# Altium PCB touch.gfx.PcbDoc (part 2 of 3)
Units mm, origin at the board's own origin, x right, y up, seen from the top; angles counter-clockwise.
Board outline 116.01 x 112.64 mm, 2 copper layers (Top Layer, Bottom Layer); 211 components, 219 nets, 923 pads, 396 vias.
Unrouted connection lines stored in the file: 1.
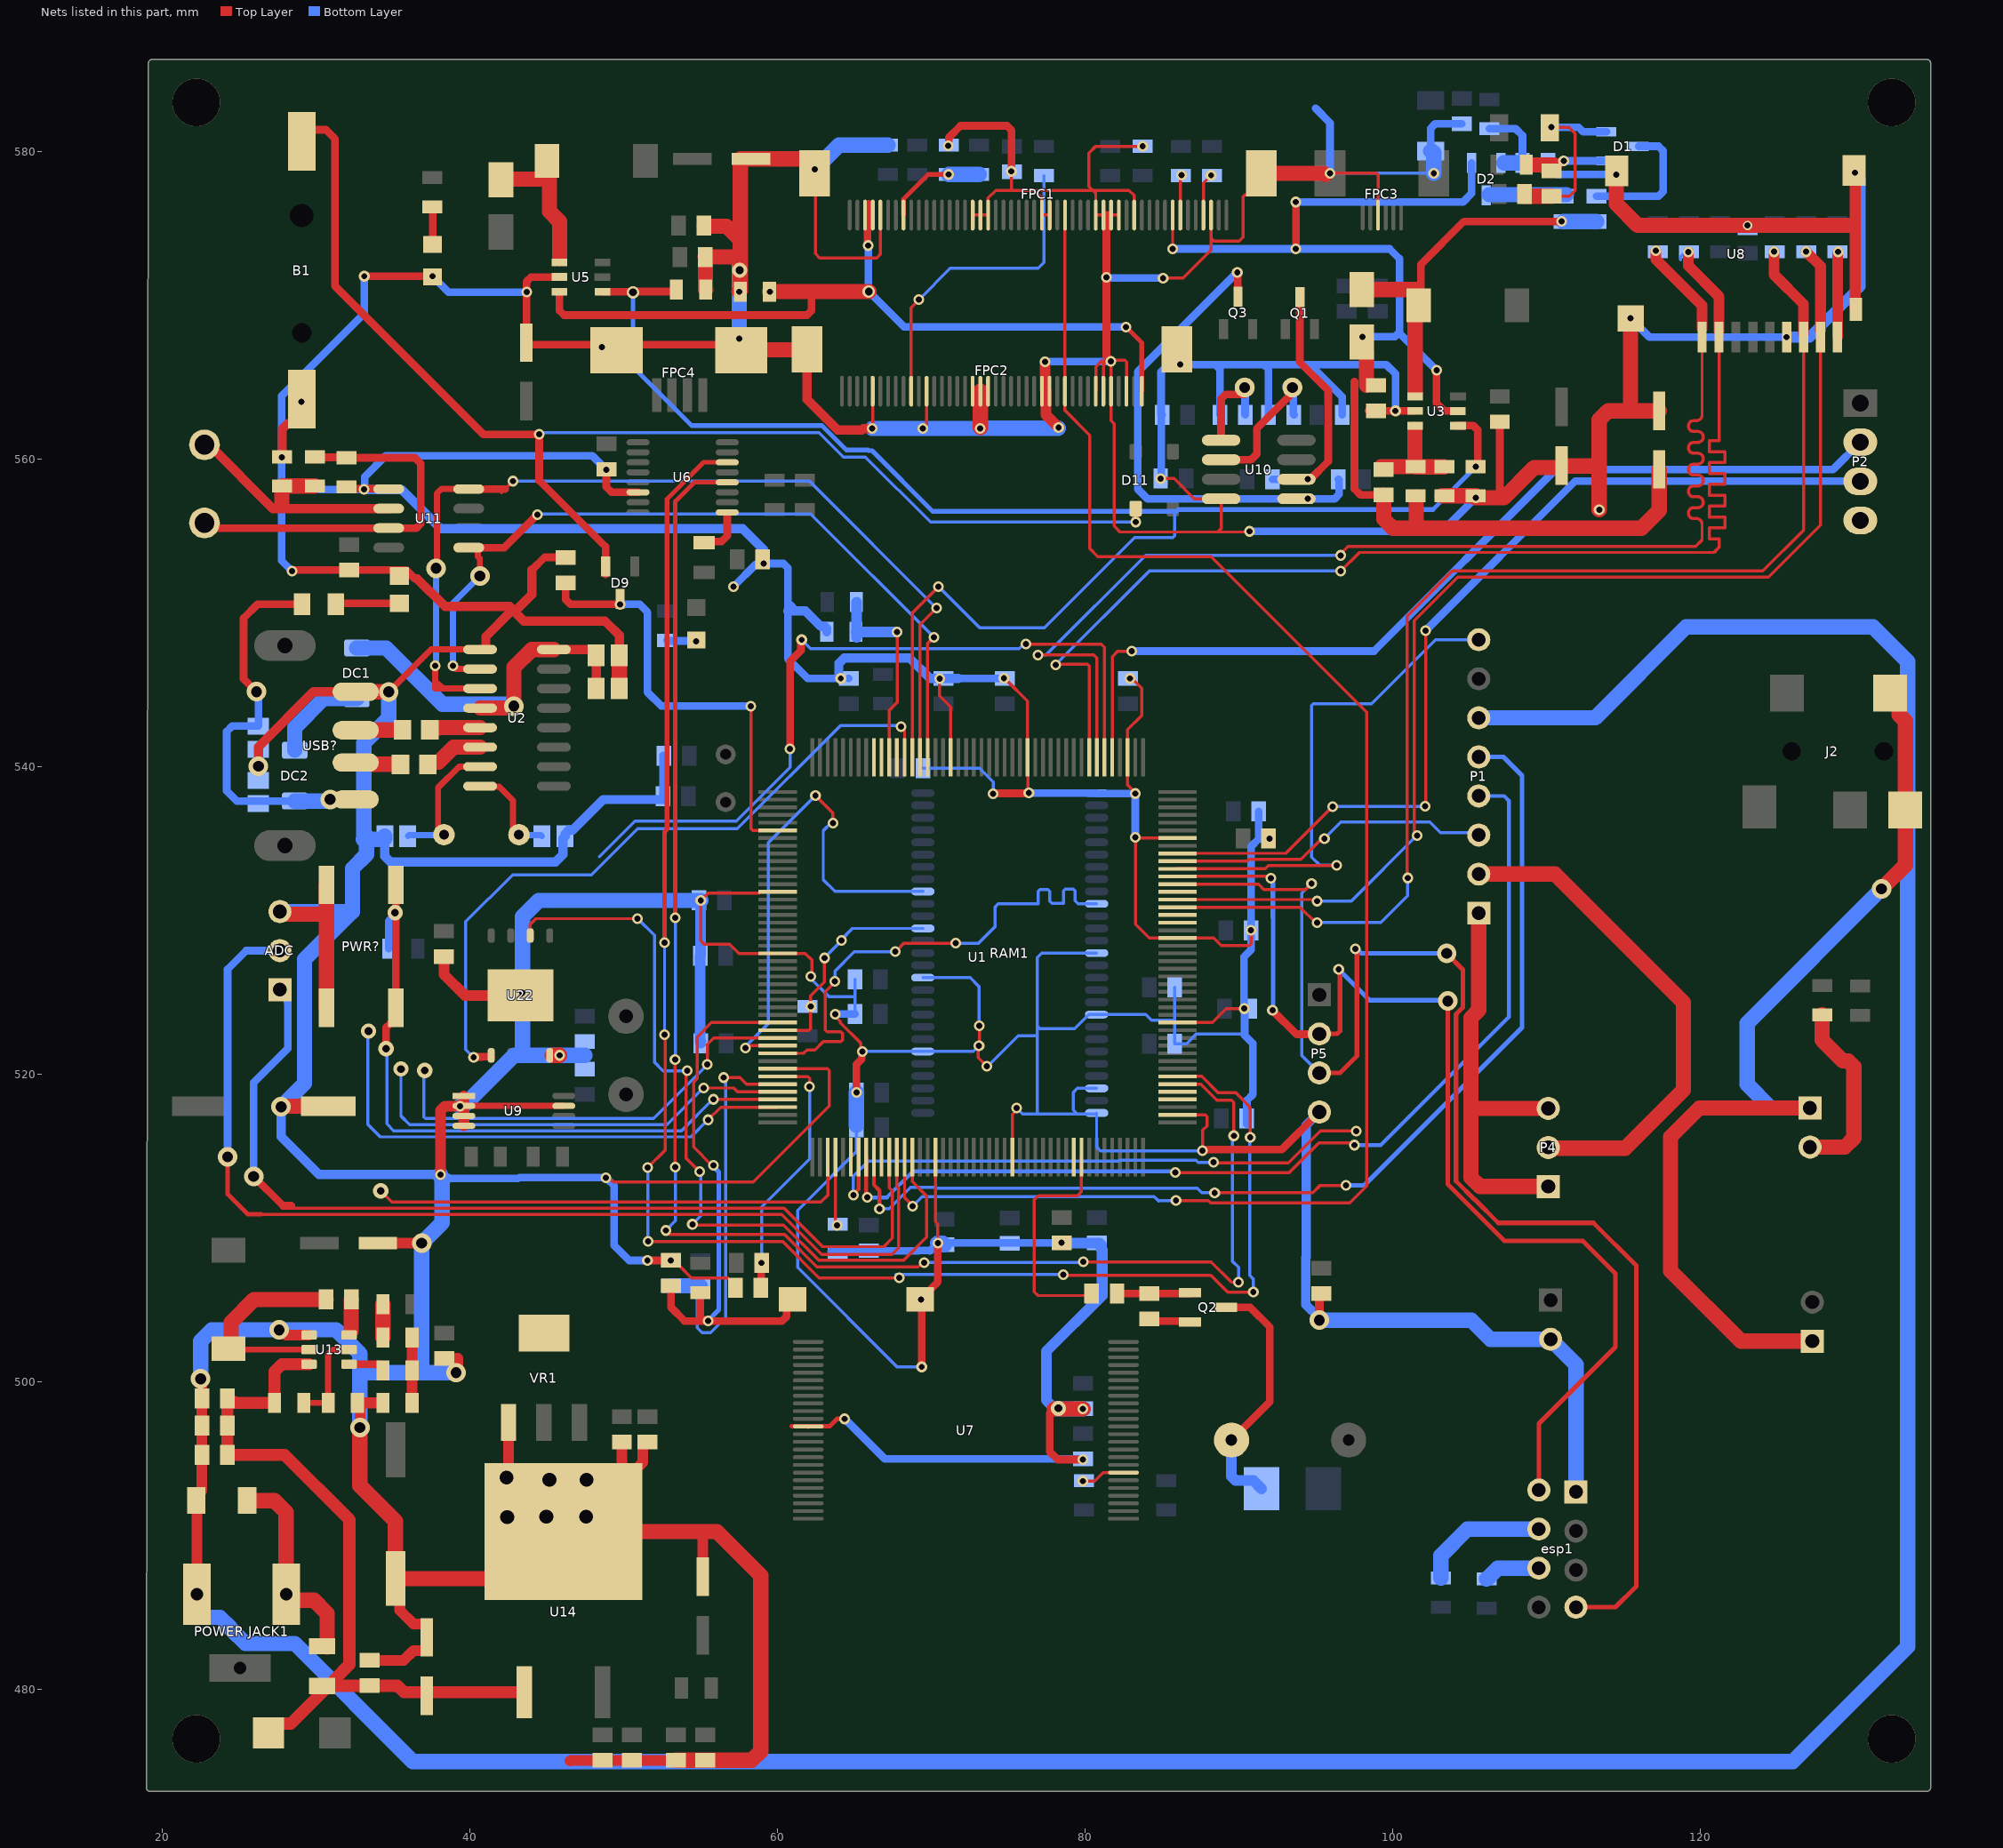
[diagram p2: the nets of this part, all layers, seen from the top]

## Via types
v1: diameter 0.7, hole 0.4, Top Layer to Bottom Layer, tented both sides, 329 vias
v2: diameter 1.27, hole 0.711, Top Layer to Bottom Layer, tented both sides, 22 vias
v3: diameter 1, hole 0.5, Top Layer to Bottom Layer, tented both sides, 19 vias
v4: diameter 1, hole 0.4, Top Layer to Bottom Layer, tented both sides, 8 vias
v5: diameter 0.8, hole 0.5, Top Layer to Bottom Layer, tented both sides, 6 vias
v6: diameter 3.1, hole 3.1, Top Layer to Bottom Layer, tented both sides, 4 vias
v7: diameter 0.6, hole 0.4, Top Layer to Bottom Layer, tented both sides, 4 vias
v8: diameter 1.1, hole 0.4, Top Layer to Bottom Layer, tented both sides, 2 vias
v9: diameter 1.2, hole 1.2, Top Layer to Bottom Layer, tented both sides, 2 vias

## Nets (pads, with @x,y where several pads share a name; then routed paths per layer and width w, separated by ;. In a path a pad name is that pad's centre, name@x,y a point inside that pad or via, vN(x,y) a via of type N, cw(c..) or ccw(c..) an arc to the next point about the centre after c; other vN are vias at no path point) (continued)
+12V: C3.2 C4.2 C5.2 C86.2 C89.2 D14.2 F1.2 R33.2 U13.3 U14.1 | length 50.3
  Top Layer w0.8: C4.2@24.244,498.906 C3.2@24.244,495.223 27.967,495.223 32.184,491.005 32.184,481.581 31.184,480.581 31.184,480.561 F1.2@30.837,480.213 ; 24.734,498.656 24.788,498.602 R33.2@27.31,498.602 27.31,500.65 27.779,501.119 U13.3@29.561,501.119 ; D14.2@26.924,477.139 27.54,477.755 28.378,477.755 F1.2@30.837,480.213 ; F1.2@30.404,480.187 30.43,480.213 F1.2@30.837,480.213 ; U14.1@43.561,479.788 35.73,479.788 35.305,480.213 C89.2@33.503,480.213 F1.2@30.837,480.213
AGND: J2.1 J2.4 OUTL.1 OUTR.1 P1.2 P4.2 | length 97.4
  Top Layer w1: P1.2@105.613,532.994 110.566,532.994 118.923,524.637 118.923,518.947 115.138,515.163 110.185,515.163 P4.2@110.134,515.214 ; OUTL.1@127.152,517.779 119.964,517.779 118.085,515.899 118.085,507.187 122.657,502.615 OUTR.1@127.305,502.615 ; v2(131.801,532.028) 133.353,533.581 J2.4@133.353,537.169 133.353,542.947 132.953,543.347 132.953,544.169 J2.1@132.353,544.769
  Bottom Layer w1: OUTL.1@127.152,517.779 124.612,517.779 123.066,519.326 123.066,523.294 v2(131.801,532.028)
"AVDD +10.4V": C19.2 C21.2 C22.2 D2.1 D6.2 FPC1.43 R5.1 U3.5 | length 85.6
  Top Layer w0.2: v1@85.711,573.646 FPC1.43@85.711,575.85
  Top Layer w0.5: v1(93.726,573.654) v1(93.726,576.702) ; 97.536,565.023 97.536,558.038 97.922,557.652 C19.2@99.42,557.652 ; D6.2@98.008,567.904 v1(98.044,567.939) ; v1(102.87,565.762) 102.87,563.626 103.389,563.107 104.248,563.107 U3.5@104.252,563.103
  Top Layer w1: D6.2@98.008,567.904 D6.2@98.008,567.601 98.008,567.251 98.313,566.947 C22.2@98.313,564.778 ; C19.2@99.441,557.627 99.441,556.079 100.027,555.493 101.546,555.493 ; R5.1@101.546,557.516 101.546,555.493 ; C21.2@117.348,559.308 117.348,556.641 116.186,555.479 101.56,555.479 101.546,555.493
  Bottom Layer w0.5: v1@85.725,573.654 85.729,573.65 93.722,573.65 v1(93.726,573.654) 99.822,573.654 100.457,573.019 100.457,568.232 100.164,567.939 v1(98.044,567.939) ; v1(93.726,576.702) 104.594,576.702 105.156,577.264 D2.1@105.156,579.242 ; 100.429,568.204 v1@102.857,565.775
  other v1: 85.711,573.646
Battery: B1.1 D9.2 D11.1 | length 82.5
  Top Layer w0.5: B1.1@28.829,581.401 30.656,581.401 31.242,580.815 31.242,571.241 40.894,561.589 v1(44.523,561.589) 44.523,558.595 48.834,554.284 D9.2@48.834,552.987 D9.2@48.834,552.479 ; D11.1@83.302,556.763 83.307,556.758 83.307,555.894 v1(83.312,555.889)
  Bottom Layer w0.2: v1(44.523,561.589) 44.619,561.685 44.865,561.685 44.89,561.71 62.724,561.71 64.313,560.121 65.73,560.121 69.962,555.889 v1(83.312,555.889)
BOOT0: R31.2 R35.2 U1.166 | length 13
  Top Layer w0.2: U1.166@67.283,540.585 67.283,542.516 67.275,542.524 67.275,543.652 67.818,544.195 67.818,548.386
  Bottom Layer w0.7: R35.2@65.125,548.742 v1(67.792,548.742) ; R35.2@65.151,548.386 R31.2@65.151,550.68
BYPASS_REG: R19.2 U1.48 | length 4.5
  Top Layer w0.2: U1.48@63.783,514.585 63.783,510.675 63.785,510.672 63.785,510.255 v1(63.881,510.159)
CH_3.3V: C12.2 CC1.1 DC1.2 U2.4 U2.16 | length 24.9
  Top Layer w0.6: U2.16@45.478,547.599 47.983,547.599 48.233,547.349 CC1.1@48.233,547.218 48.233,545.071 C12.2@48.221,545.059
  Top Layer w1: U2.4@40.678,543.789 42.675,543.789 42.802,543.916 v2(42.875,543.916) 42.875,546.43 44.044,547.599 U2.16@45.478,547.599
  Bottom Layer w1: DC1.2@32.664,547.699 34.57,547.699 38.227,544.043 42.875,544.043 v2(42.875,543.916)
DISP: FPC2.31 R30.1 | length 21
  Top Layer w0.2: FPC2.31@68.714,564.405 68.714,566.378 68.692,566.4 68.692,569.829 v1(69.215,570.352)
  Bottom Layer w0.2: v1(69.215,570.352) 71.247,572.384 76.962,572.384 77.343,572.765 R30.1@77.343,578.419
ESP-RX: esp1.4 P5.3 U1.120 | length 92.9
  Top Layer w0.2: U1.120@86.033,532.335 91.3,532.335 91.638,531.998 94.356,531.998 v1(94.742,532.384)
  Top Layer w0.3: P5.3@95.25,520.06 96.591,520.06 97.688,521.157 v1@97.688,528.015 ; v2(103.53,527.837) 104.592,526.776 104.592,524.331 104.14,523.879 104.14,513.023 105.339,511.824 105.371,511.824 106.883,510.311 113.07,510.311 115.849,507.532 115.849,486.664 114.503,485.318 esp1.4@111.938,485.318
  Top Layer w0.5: P5.3@95.123,520.314 95.25,520.187 P5.3@95.25,520.06
  Bottom Layer w0.2: v1(94.742,532.384) 94.119,531.761 94.119,521.192 P5.3@95.25,520.06
  Bottom Layer w0.3: v1(97.597,528.137) 97.673,528.137 97.973,527.837 v2(103.53,527.837)
ESP-TX: esp1.8 P5.2 U1.121 | length 73.8
  Top Layer w0.2: U1.121@86.033,532.835 86.058,532.86 92.17,532.86 92.1,532.79 v1(92.1,532.714)
  Top Layer w0.3: P5.2@95.25,522.6 96.413,522.6 96.596,522.783 96.596,526.745 v1@96.495,526.847 ; v2(103.607,524.739) 103.607,512.826 107.29,509.143 112.37,509.143 114.503,507.009 114.503,502.234 109.525,497.256 esp1.8@109.525,492.938
  Top Layer w0.5: v1(92.202,524.129) 93.753,522.578 95.227,522.578 P5.2@95.25,522.6
  Bottom Layer w0.3: v1(92.1,532.714) 92.1,532.734 92.23,532.864 92.23,530.188 92.237,530.181 92.237,524.164 v1(92.202,524.129) ; v1(96.505,526.791) 98.507,524.789 103.556,524.789 v2(103.607,524.739)
GLED: FPC1.3 FPC1.4 FPC2.1 R10.2 U5.3 | length 53.6
  Top Layer w0.3: v1(82.677,568.574) 83.699,567.552 83.699,564.42 FPC2.1@83.714,564.405
  Top Layer w0.5: U5.3@45.847,570.86 45.847,569.634 46.14,569.341 61.937,569.341 62.23,569.634 62.23,570.874 ; v1(65.909,573.867) 65.87,573.905 65.87,574.83 65.87,576.491 65.954,576.575
  Top Layer w1: R10.2@59.497,570.874 62.23,570.874 v5(65.949,570.874)
  Bottom Layer w0.5: v1(65.909,573.867) 65.929,573.847 v5@65.929,570.894 ; v5(65.949,570.874) 68.248,568.574 v1(82.677,568.574)
  other v1: 59.513,570.862
GND: "POWER JACK1.2" ADC.3 B1.2 C3.1 C4.1 C5.1 C8.1 C11.1 C12.1 C13.1 C14.1 C15.1 C16.1 C18.1 C20.1 C21.1 C22.1 C26.1 C27.2 C30.1 C32.1 C33.1 C34.1 C41.1 C42.1 C43.1 C44.1 C45.1 C46.1 C47.1 C48.1 C49.1 C50.1 C51.1 C52.1 C53.1 C54.1 C55.1 C56.1 C57.1 C58.1 C59.1 C60.1 C61.1 C62.1 C63.1 C64.1 C65.1 C66.1 C67.1 C68.1 C69.2 C70.2 C71.1 C72.1 C73.1 C74.1 C75.1 C76.1 C77.1 C78.2 C79.1 C80.1 C81.1 C82.2 C83.1 C84.1 C85.1 C86.1 C87.2 C88.1 C89.1 C90.1 C91.1 C92.1 C93.1 C162.1 C163.1 CC1.2 CC2.2 CC3.2 D3.1 D4.1 D7.1 esp1.1 FPC1.5 FPC1.17 FPC1.18 FPC1.19 FPC1.26 FPC1.27 FPC1.33 FPC1.34 FPC1.35 FPC1.36 FPC1.38 FPC1.48 FPC1.51 FPC1.52 FPC2.3 FPC2.5 FPC2.6 FPC2.7 FPC2.13 FPC2.14 FPC2.21 FPC2.22 FPC2.23 FPC2.29 FPC2.36 FPC2.41 FPC2.42 FPC3.3 FPC4.5 FPC4.6 P1.6 P2.4 P3.2 P5.4 pad.2 pad.3 pad.4 pad.5 pad.6 pad.7 PWR?.2 R6.2 R7.2 R8.2 R9.2 R10.1 R19.1 R26.1 R28.2 R35.1 R37.2 R42.1 R44.2 R45.2 R53.2 RAM1.6 RAM1.12 RAM1.28 RAM1.41 RAM1.46 RAM1.52 RAM1.54 SW1.1 U1.14 U1.22 U1.37 U1.61 U1.71 U1.90 U1.102 U1.113 U1.126 U1.135 U1.148 U1.158 U2.1 U3.2 U5.2 U6.6 U7.36 U8.6 U8.10 U8.11 U8.12 U8.13 U9.1 U9.2 U9.3 U9.4 U9.7 U10.4 U11.5 U13.1 U14.2 U22.4 U22.9 USB?.4 VR1.1 VR1.4 | length 1464.5
  Top Layer w0.2: U11.5@34.036,558.033 U11.5@34.738,558.033 ; v1(48.87,513.253) 49.375,512.976 58.448,512.976 63.373,517.901 63.373,520.218 63.256,520.335 U1.37@60.033,520.335 ; C69.2@53.086,507.614 53.206,507.494 53.655,507.494 54.428,506.72 56.78,506.72 56.86,506.64 56.902,506.64 57.277,506.265 C162.1@57.277,506.09 ; U1.14@60.033,531.835 58.908,531.835 58.833,531.76 55.508,531.76 v1(55.031,531.284) 55.031,528.656 55.245,528.442 56.897,528.442 57.504,527.835 U1.22@60.033,527.835 61.821,527.835 62.268,527.388 62.268,526.421 v1(62.172,526.325) ; FPC1.52@62.416,578.548 62.484,578.48 62.484,573.344 62.758,573.07 66.472,573.07 66.719,573.317 66.719,574.541 66.711,574.55 FPC1.5@66.711,575.85 ; v1(63.769,523.89) 63.769,523.754 64.116,523.407 64.116,523.322 65.436,522.001 65.436,521.553 v1(65.532,521.457) ; v1(66.167,561.97) 66.214,562.017 FPC2.36@66.214,564.399 ; v1(69.469,561.97) 69.469,561.988 69.714,562.233 FPC2.29@69.714,564.405 ; U1.61@70.283,514.585 70.283,510.395 70.443,510.234 v1(70.443,508.99) ; v1(70.558,545.708) 70.558,544.597 71.283,543.872 U1.158@71.283,540.585 ; FPC1.17@72.711,575.85 FPC1.18@73.136,575.85 ; FPC2.23@72.714,564.405 73.214,564.405 FPC2.21@73.714,564.405 ; v1(73.121,521.838) 73.068,521.785 73.068,521.069 v1(73.629,520.508) ; v1(73.128,523.138) 73.14,523.126 v1@73.14,521.85 ; v1@73.186,562.024 v1@73.214,562.051 ; FPC1.18@73.211,575.85 FPC1.19@73.711,575.85 ; FPC1.19@73.711,575.85 73.712,576.966 74.21,577.464 75.317,577.464 ; v1(74.041,538.221) v1@74.067,538.247 ; v1@74.93,545.587 76.283,544.234 U1.148@76.283,540.585 76.308,540.56 76.308,538.326 v1(76.361,538.272) v1@76.336,538.247 ; v1(75.231,578.696) 75.231,577.551 75.317,577.464 ; U1.71@75.283,514.585 75.283,517.356 75.565,517.639 v1(75.565,517.774) ; FPC2.14@77.214,564.405 FPC2.14@77.289,564.33 ; 77.413,564.503 77.47,564.447 ; FPC1.27@77.711,575.85 FPC1.26@77.211,575.85 77.211,576.961 76.708,577.464 ; v1(78.298,562.021) v1@78.303,562.026 ; FPC2.7@80.714,564.405 80.714,565.976 81.084,566.346 ; FPC2.6@81.214,564.405 81.214,566.216 81.087,566.343 v1@81.692,566.343 ; v1(81.704,566.331) 81.792,566.419 82.596,566.419 82.714,566.301 FPC2.3@82.714,564.405 ; v1@81.709,566.326 81.709,564.41 81.714,564.405 81.714,562.477 81.915,562.276 81.915,555.62 82.296,555.239 88.646,555.239 ; FPC1.36@82.211,575.85 FPC1.35@81.711,575.85 81.461,575.85 FPC1.34@81.211,575.85 FPC1.33@80.711,575.85 80.711,577.271 80.518,577.464 ; v1@82.677,545.714 82.741,545.65 83.132,545.65 83.274,545.508 83.693,545.089 83.693,543.301 82.783,542.391 U1.135@82.783,540.585 82.783,538.792 83.28,538.294 v1(83.28,538.228) ; FPC1.38@83.211,575.85 83.211,577.126 82.873,577.464 80.518,577.464 ; v1(83.761,580.326) 80.713,580.326 80.264,579.877 80.264,577.718 80.518,577.464 ; v1(84.931,558.716) 85.804,558.716 87.122,557.398 U10.4@88.863,557.398 88.863,555.456 88.646,555.239 ; v1(85.09,571.749) 86.39,571.749 88.211,573.57 88.211,574.343 ; U1.90@86.033,517.335 87.824,517.335 87.942,517.218 87.942,516.621 87.665,516.345 v1@87.665,515.01 ; U1.102@86.033,523.335 88.291,523.335 89.199,524.243 v1(90.357,524.243) ; U1.126@86.033,535.335 83.339,535.335 v1(83.287,535.387) 83.287,529.737 84.189,528.835 U1.113@86.033,528.835 88.38,528.835 88.87,528.345 90.703,528.345 90.805,528.447 v1(90.805,529.336) ; FPC1.48@88.211,575.85 88.211,574.343 ; v1@90.678,555.244 90.673,555.239 88.646,555.239 ; FPC1.51@91.486,578.571 91.486,578.071 90.586,577.171 90.414,577.171 90.297,577.053 90.297,574.416 90.043,574.162 88.392,574.162 88.211,574.343 ; v1(95.944,578.571) 98.95,578.571 99.067,578.453 FPC3.3@99.067,575.85 ; 75.317,577.464 76.708,577.464 ; 76.708,577.464 80.518,577.464
  Top Layer w0.3: 60.941,497.094 U7.36@61.988,497.094 ; U7.36@62.013,497.069 U7.36@61.988,497.094 ; v1(64.389,497.561) 63.881,497.561 63.414,497.094 U7.36@61.988,497.094
  Top Layer w0.4: v2(34.74,544.848) 37.49,547.599 U2.1@40.678,547.599 ; U9.2@39.624,517.916 U9.7@46.124,517.916
  Top Layer w0.5: v6(22.225,583.184) v6@22.684,583.184 ; v1(27.781,560.094) R44.2@27.813,560.126 ; v1@28.388,552.766 C79.1@32.181,552.766 35.879,552.766 36.449,552.196 36.601,552.196 ; R42.1@31.99,558.167 32.1,558.057 34.012,558.057 U11.5@34.036,558.033 ; v1(33.147,571.876) v1(37.592,571.876) D7.1@37.592,571.842 37.499,571.749 37.465,571.749 D7.1@37.425,571.709 ; U9.2@39.244,518.027 v1(39.37,517.901) ; C33.1@43.688,567.558 C33.1@43.7,567.57 ; C33.1@43.688,567.581 C33.1@43.7,567.57 ; 44.052,552.766 44.874,553.589 C48.1@46.251,553.589 ; U5.2@45.847,571.825 43.998,571.825 43.705,571.532 43.705,567.575 C33.1@43.7,567.57 ; v1(48.875,559.295) 48.875,559.3 C41.1@48.891,559.315 48.891,558.164 49.235,557.82 U6.6@50.948,557.82 ; v1(51.562,507.869) v1(53.086,507.869) ; FPC4.5@57.658,567.431 43.838,567.431 C33.1@43.7,567.57 ; v1(65.151,518.79) 65.151,520.611 65.494,520.953 65.494,521.419 v1(65.532,521.457) ; SW1.1@69.301,505.328 69.401,505.328 69.951,505.878 69.951,505.978 70.443,506.47 v1(70.443,508.99) ; v1(69.342,505.328) 69.394,505.276 v1(69.394,500.943) ; v1(71.121,580.363) 71.153,580.395 71.153,580.887 71.921,581.655 74.938,581.655 75.231,581.362 v1(75.231,578.696) ; v1@74.067,538.247 v1@76.336,538.247 ; v3@78.017,498.216 77.724,497.923 77.724,495.422 78.232,494.914 v1(79.883,494.914) ; 81.461,575.85 81.407,575.796 81.407,566.682 81.704,566.385 v1(81.704,566.331) v1@81.709,566.326 ; v1(87.657,515.001) 87.665,515.01 87.695,515.04 87.925,515.04 87.959,515.074 92.804,515.074 P5.4@95.25,517.52 ; U10.4@89.432,557.398 U10.4@89.524,557.306 ; v1@95.631,578.48 95.722,578.571 v1(95.944,578.571) ; C22.1@98.445,563.123 98.447,563.126 100.195,563.126 v1(100.203,563.118) 100.205,563.116 101.456,563.116 U3.2@101.462,563.109 ; v1(105.413,557.465) 105.478,557.53 106.691,557.53 106.984,557.823 C20.1@106.984,562.407
  Top Layer w0.6: v2(26.264,540.004) 26.264,541.274 29.837,544.848 USB?.4@32.591,544.848 ; R44.2@27.813,560.126 27.813,561.924 28.164,562.275 28.494,562.275 29.083,562.864 B1.2@29.083,563.88 ; 36.601,552.196 38.405,550.393 42.596,550.393 42.926,550.062 ; U2.1@40.678,547.599 41.057,547.599 41.057,548.447 42.672,550.062 42.926,550.062 ; 44.052,552.766 44.052,551.188 42.926,550.062 ; CC1.2@49.733,547.218 49.733,548.52 48.8,549.453 43.536,549.453 42.926,550.062 ; FPC2.41@61.933,567.12 61.933,563.872 63.942,561.863 65.51,561.863 65.608,561.961 66.158,561.961 v1(66.167,561.97) ; v2(95.25,503.987) 95.25,505.588 C80.1@95.377,505.715
  Top Layer w0.7: 22.267,486.156 22.267,492.487 22.227,492.527 22.594,492.894 C3.1@22.594,495.223 C4.1@22.594,498.906 22.575,498.925 22.575,500.096 v2(22.504,500.167) ; v2(27.61,503.352) 27.711,503.352 28.044,503.019 U13.1@29.561,503.019 ; R45.2@32.7,498.602 R45.2@32.868,498.602 ; v2(32.868,497.002) R45.2@32.868,498.602 ; C89.1@33.503,481.863 35.712,481.863 36.344,482.495 37.161,482.495 37.211,482.545 C86.1@37.211,483.362 37.211,484.179 37.161,484.229 36.344,484.229 35.464,485.109 35.464,486.887 C85.1@35.179,487.172 ; C14.1@34.036,508.99 v2(36.882,508.99) ; R53.2@34.163,498.602 R45.2@32.868,498.602 ; v1(38.1,513.456) 38.1,517.608 38.393,517.901 v1(39.37,517.901) ; C68.1@38.329,527.634 38.329,526.466 39.691,525.103 U22.9@43.307,525.103 ; v2(39.116,500.569) 39.243,500.696 39.243,501.5 39.116,501.5 ; U9.4@39.624,516.616 U9.3@39.624,517.266 U9.2@39.624,517.916 U9.1@39.624,518.566 ; VR1.1@42.531,497.332 42.531,493.808 U14.2@46.101,490.238 ; 46.533,475.31 46.579,475.356 C92.1@53.412,475.356 ; C16.1@49.899,496.063 49.899,494.036 U14.2@46.101,490.238 ; U14.2@50.47,490.238 U14.2@46.776,490.238 ; C15.1@51.55,496.063 51.375,496.063 51.25,495.938 51.25,494.712 U14.2@46.776,490.238 ; C88.1@55.158,487.299 55.158,490.238 55.158,490.256 55.176,490.238 ; 77.413,564.503 v1(77.413,566.307) ; 77.47,564.447 77.47,562.859 v1@78.303,562.026 ; U8.12@130.094,578.667 130.094,569.777 U8.10@130.144,569.727 ; U14.2@46.101,490.238 U14.2@46.776,490.238
  Top Layer w1: ADC.3@27.661,530.555 27.756,530.46 28.11,530.46 28.192,530.377 30.694,530.377 ; v2(27.737,517.855) 27.783,517.901 C83.1@30.8,517.901 ; PWR?.2@30.694,524.302 30.694,530.377 ; PWR?.2@30.694,532.287 30.694,530.377 ; USB?.4@32.591,544.848 v2(34.74,544.848) ; v2(32.868,497.002) 32.868,493.217 35.179,490.906 C85.1@35.179,487.172 43.035,487.172 U14.2@46.101,490.238 ; U22.4@45.373,521.208 v1(45.847,521.208) ; C12.1@49.721,545.059 49.733,545.071 CC1.2@49.733,547.218 ; U14.2@50.47,490.238 55.158,490.238 55.176,490.238 56.065,490.238 58.928,487.375 58.928,475.942 58.342,475.356 C91.1@55.317,475.356 C92.1@53.412,475.356 ; C32.1@55.244,575.183 55.269,575.158 55.269,575.128 56.697,575.128 57.597,574.228 ; R9.2@55.345,571.012 55.333,571.024 55.333,573.116 C34.1@55.321,573.128 57.597,573.128 ; R10.1@57.522,570.873 57.597,570.948 57.597,573.128 ; FPC4.5@57.658,567.05 57.696,567.088 61.901,567.088 FPC2.41@61.933,567.12 ; FPC1.52@62.416,578.548 FPC1.52@62.438,578.571 ; v1(62.452,578.829) 62.452,578.987 61.938,579.501 C30.1@58.293,579.501 57.597,579.501 57.597,574.228 ; v1@73.214,562.051 FPC2.22@73.214,564.405 ; v3@78.017,498.216 v1(79.883,498.216) ; FPC1.51@91.486,578.571 95.54,578.571 v1@95.631,578.48 ; R7.2@103.235,557.591 R7.2@103.378,557.591 R6.2@105.422,557.591 ; v1(105.413,557.465) 107.25,557.465 109.22,559.435 111.041,559.435 111.14,559.534 113.22,559.534 113.446,559.308 ; v1(113.446,556.679) 113.446,559.308 ; U8.13@114.585,578.734 114.585,578.516 v1(114.554,578.485) 114.554,576.58 115.956,575.178 v7(123.094,575.178) 123.099,575.183 129.967,575.183 ; v7(115.485,569.134) 115.485,563.16 115.443,563.118 ; C21.1@117.348,563.118 115.443,563.118 ; v6@132.207,583.184 v6(132.461,583.184) ; 57.597,573.128 57.597,574.228 ; 113.446,559.308 113.446,562.532 114.032,563.118 115.443,563.118
  Bottom Layer w0.2: v1(62.172,526.325) 62.172,526.214 63.366,525.02 65.057,525.02 ; C74.1@65.057,523.886 65.057,525.02 ; C76.1@65.057,526.155 65.057,525.02 ; C77.1@65.151,516.511 65.151,514.947 61.322,511.118 61.322,507.409 67.788,500.943 v1(69.394,500.943) ; v1(65.532,521.457) 68.877,521.458 RAM1.6@69.469,521.458 72.741,521.458 v1(73.121,521.838) ; C75.1@69.342,540.507 69.342,539.998 C75.1@69.469,539.871 73.153,539.871 74.041,538.983 v1(74.041,538.221) ; RAM1.12@69.469,526.258 72.542,526.258 73.128,525.673 v1(73.128,523.138) ; v1(73.186,561.969) v1@73.212,561.995 ; v1(73.629,520.508) 73.696,520.508 75.661,522.473 76.915,522.473 ; v1(75.565,517.774) 75.946,517.393 76.915,517.393 ; v1@78.272,561.995 v1(78.298,562.021) ; RAM1.52@80.769,519.058 79.516,519.058 79.248,518.79 79.248,517.647 79.502,517.393 ; RAM1.41@80.769,527.858 77.206,527.858 76.915,527.567 76.915,523.109 ; C72.1@85.852,525.621 85.852,523.489 ; v1(87.657,515.001) 81.005,515.001 80.769,515.237 RAM1.54@80.769,517.458 80.71,517.399 79.719,517.399 79.713,517.393 79.502,517.393 ; 90.394,522.605 87.254,522.605 86.614,521.965 C71.1@85.852,521.965 85.852,523.489 ; v1(95.944,578.571) v1(102.692,578.571) ; 76.915,517.393 76.915,522.473 ; 76.915,517.393 79.502,517.393 ; 76.915,522.473 76.915,523.109 ; 76.915,523.109 77.089,522.936 79.338,522.936 80.261,523.858 RAM1.46@80.769,523.858 83.959,523.858 84.328,523.489 85.852,523.489
  Bottom Layer w0.5: v1(28.448,552.699) 27.781,553.366 27.781,558.335 ; v1(33.147,571.876) 33.147,569.463 27.781,564.097 v1(27.781,560.094) 27.781,558.335 ; v1(37.592,571.876) 38.63,570.838 v1(43.722,570.838) ; 38.608,513.202 43.142,513.202 ; 43.243,513.253 v1(48.87,513.253) ; v1(48.875,559.295) 47.978,560.192 34.544,560.192 33.182,558.83 33.182,558.048 v1(33.144,558.009) 28.106,558.009 27.781,558.335 ; v1@48.949,513.173 49.403,512.719 49.403,508.838 50.372,507.869 v1(51.562,507.869) ; C65.1@52.57,537.843 C65.1@52.57,538.045 C67.1@52.57,540.7 ; v1(57.15,551.683) 58.618,553.151 59.07,553.151 v1(59.108,553.189) 60.408,553.189 60.7,552.896 60.7,550.113 60.7,546.995 61.981,545.714 v1(64.135,545.714) ; 60.833,550.512 61.232,550.113 ; R19.1@63.5,508.457 63.993,508.457 63.967,508.483 69.185,508.483 69.213,508.511 69.876,508.511 69.905,508.483 69.936,508.483 v1(70.443,508.99) ; v1(63.769,523.89) 63.771,523.888 65.055,523.888 C74.1@65.057,523.886 ; v1(64.389,497.561) 66.992,494.958 C46.1@79.898,494.958 ; C53.1@70.866,508.998 79.197,508.998 ; 71.78,545.714 C59.1@74.778,545.714 ; v1(76.361,538.272) 76.374,538.26 80.764,538.26 RAM1.28@80.769,538.254 ; v1(77.413,566.307) 77.425,566.319 81.692,566.319 v1(81.704,566.331) ; RAM1.28@80.769,538.228 v1(83.28,538.228) 83.283,538.225 83.283,535.391 v1(83.287,535.387) ; v1@81.407,571.749 v1(85.09,571.749) ; v1(84.931,558.716) 84.983,558.768 84.983,562.808 C78.2@85.034,562.859 84.963,562.93 84.963,565.653 85.4,566.091 86.162,566.091 v1(86.201,566.129) 91.656,566.129 ; 88.591,566.034 88.79,565.836 C82.2@88.79,562.859 ; C61.1@90.54,516.738 90.54,518.276 90.932,518.668 90.932,521.97 90.394,522.508 90.394,522.605 90.394,524.207 v1(90.357,524.243) 90.357,527.618 90.805,528.066 v1(90.805,529.336) 90.805,534.793 91.312,535.3 ; v1(90.713,555.282) 103.23,555.282 v1(105.413,557.465) ; C49.1@91.312,537.082 91.312,535.3 ; C87.2@91.949,562.859 91.949,565.836 91.656,566.129 ; v1(92.021,535.285) 92.006,535.3 91.312,535.3 ; 94.996,582.798 95.944,581.85 v1(95.944,578.571) ; C81.1@96.743,562.859 96.743,564.033 94.647,566.129 ; v1(100.203,563.118) 100.203,565.531 99.605,566.129 94.647,566.129 ; D4.1@102.489,580.006 102.489,581.49 102.782,581.783 C8.1@104.521,581.783 ; C11.1@110.109,579.242 110.109,579.067 110.691,578.485 v1(114.554,578.485) ; v7(115.485,569.134) 116.704,567.915 v7(125.635,567.915) ; 91.656,566.129 94.647,566.129